# KiCad board norns_fork.kicad_pcb
title: Norns Syst Hat; date: 2022-06-17; rev: V2; company: Les Usines - Damien Skoraki
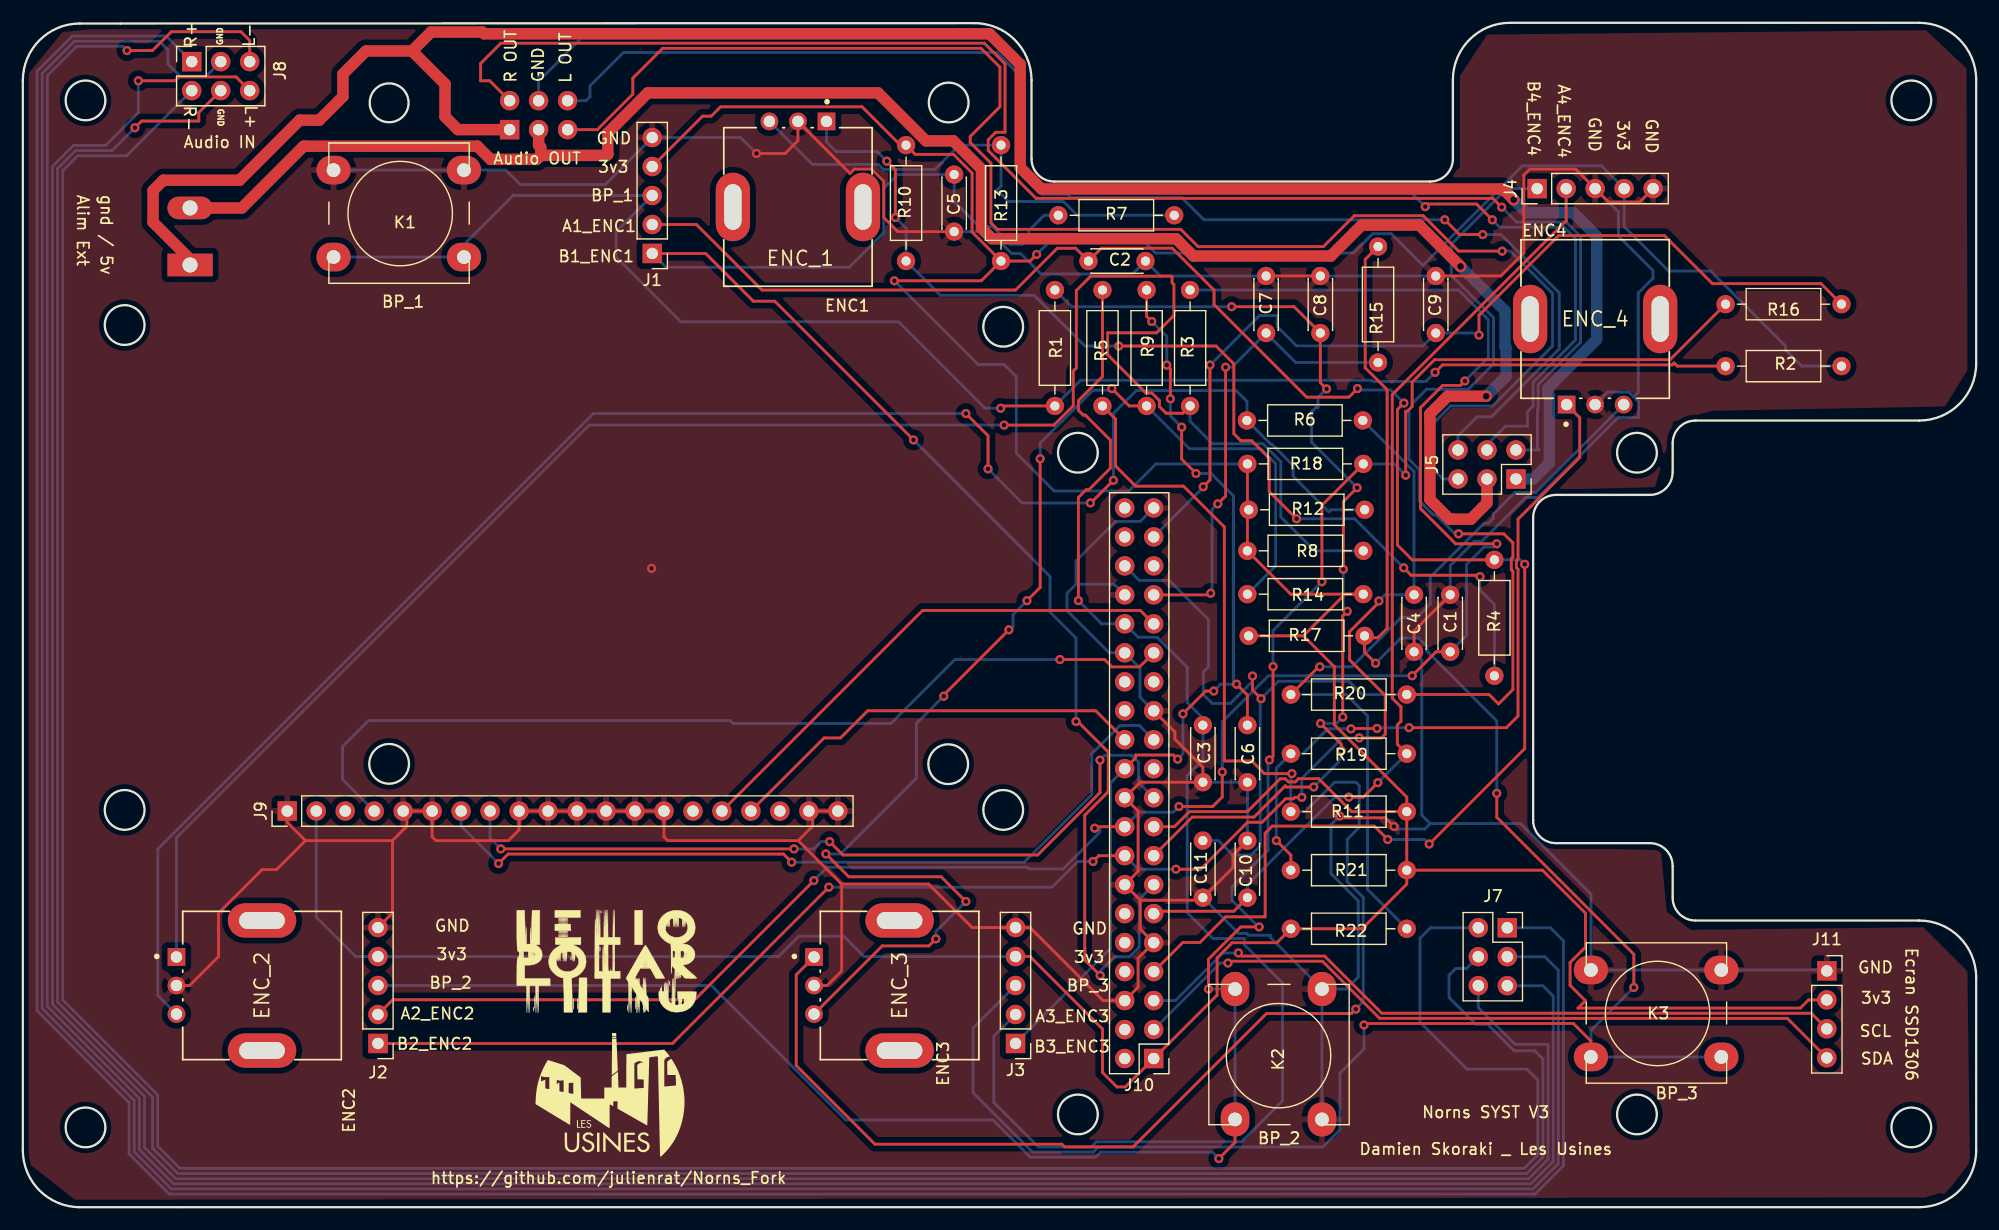
[diagram p0: board, top side]
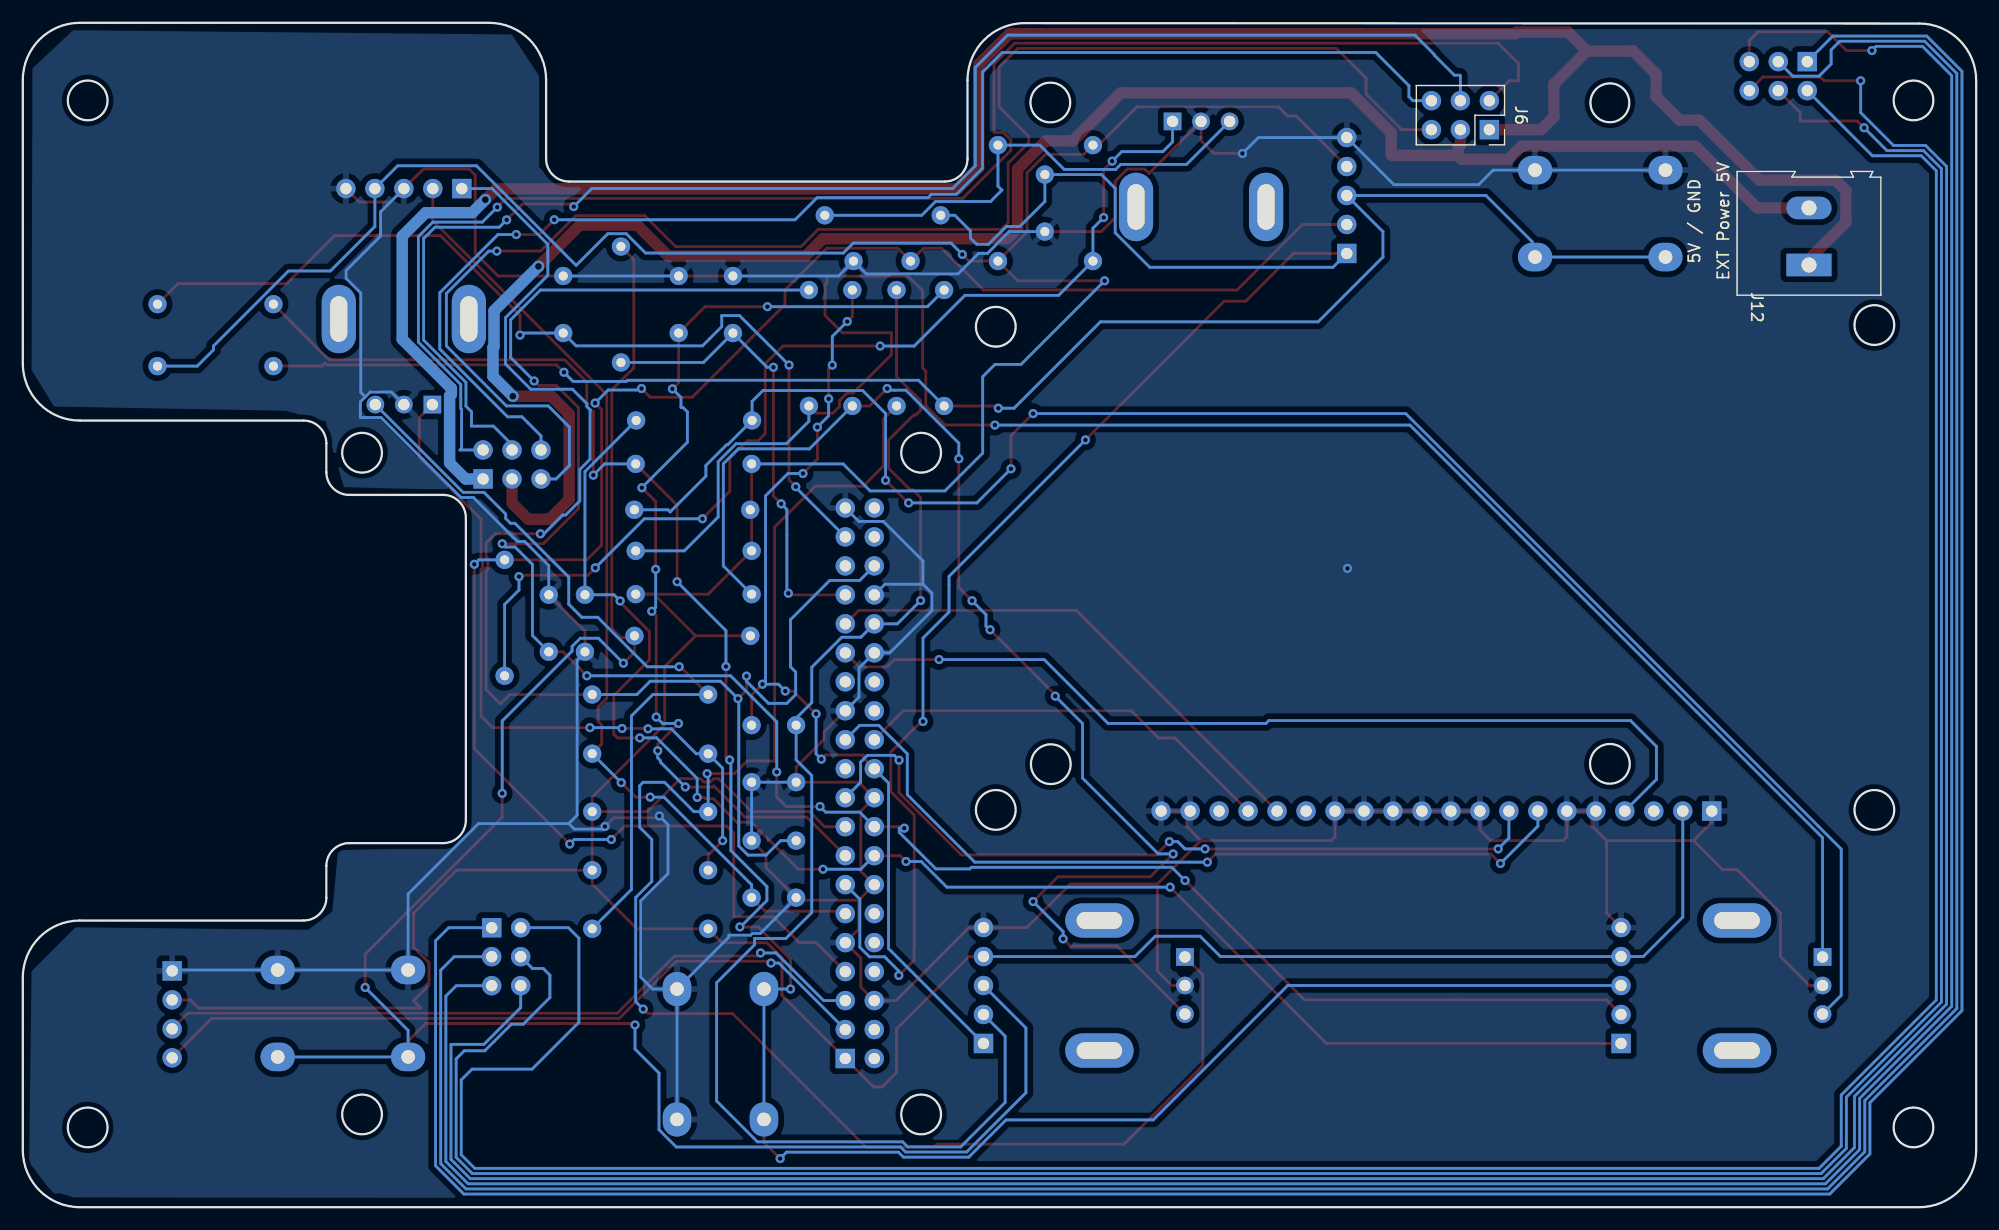
[diagram p1: board, bottom side, seen from below]

Outline 171.2 x 103.81 mm; copper layers: Top, Bottom. Coordinates in mm from the lower left corner of the outline.
Outline path: circle c5.49,97.01 r1.74 ; circle c5.49,6.99 r1.74 ; circle c8.92,77.32 r1.74 ; circle c8.92,34.82 r1.74 ; circle c32.1,96.8 r1.7 ; circle c32.1,38.86 r1.74 ; circle c81.1,38.83 r1.74 ; circle c81.15,96.83 r1.74 ; circle c85.92,34.82 r1.74 ; circle c85.92,77.17 r1.74 ; circle c92.47,66.13 r1.74 ; circle c92.47,8.13 r1.74 ; circle c141.47,66.13 r1.74 ; circle c141.47,8.13 r1.74 ; circle c165.51,97.01 r1.74 ; circle c165.51,6.99 r1.74 ; 0,98.75 0,5 arc(1.46,1.46) 5,0 166.2,0 arc(169.74,1.46) 171.2,5 171.2,20.13 arc(169.74,23.66) 166.2,25.13 146.6,25.13 arc(145.18,25.71) 144.6,27.13 144.6,29.91 arc(144.01,31.32) 142.6,31.91 134.37,31.91 arc(132.96,32.49) 132.37,33.91 132.37,60.43 arc(132.96,61.85) 134.37,62.43 142.6,62.43 arc(144.01,63.02) 144.6,64.43 144.6,66.95 arc(145.18,68.36) 146.6,68.95 166.2,68.95 arc(169.74,70.41) 171.2,73.95 171.2,98.81 arc(169.74,102.35) 166.2,103.81 130.34,103.81 arc(126.8,102.35) 125.34,98.81 125.34,91.9 arc(124.75,90.48) 123.34,89.9 90.4,89.9 arc(88.99,90.48) 88.4,91.9 88.4,98.78 arc(86.94,102.32) 83.4,103.78 8.55,103.75 5,103.75 arc(1.46,102.29) 0,98.75
Stack: Top 0.035mm / dielectric 1.51mm FR4 er 4.5 / Bottom 0.035mm

## Placement (name value [footprint] x y rotation side)
C1  10nF  [C_Disc_D4.3mm_W1.9mm_P5.00mm]  125.1 53.68 270 top
C2  10nF  [C_Disc_D4.3mm_W1.9mm_P5.00mm]  98.39 82.93 180 top
C3  10nF  [C_Disc_D4.3mm_W1.9mm_P5.00mm]  103.42 37.25 90 top
C4  10nF  [C_Disc_D4.3mm_W1.9mm_P5.00mm]  121.93 53.68 270 top
C5  10nF  [C_Disc_D4.3mm_W1.9mm_P5.00mm]  81.62 90.51 270 top
C6  10nF  [C_Disc_D4.3mm_W1.9mm_P5.00mm]  107.32 42.25 270 top
C7  10nF  [C_Disc_D4.3mm_W1.9mm_P5.00mm]  108.96 81.62 270 top
C8  10nF  [C_Disc_D4.3mm_W1.9mm_P5.00mm]  113.72 81.62 270 top
C9  10nF  [C_Disc_D4.3mm_W1.9mm_P5.00mm]  123.83 81.62 270 top
C10  10nF  [C_Disc_D4.3mm_W1.9mm_P5.00mm]  107.32 32.13 270 top
C11  10nF  [C_Disc_D4.3mm_W1.9mm_P5.00mm]  103.42 32.13 270 top
ENC1  ENC_1  [Bourns-PEC11R-4015F-N0024-MFG]  67.93 87.67 180 top
ENC2  ENC_2  [Bourns-PEC11R-4015F-N0024-MFG]  20.96 19.43 270 top
ENC3  ENC_3  [Bourns-PEC11R-4015F-N0024-MFG]  76.84 19.43 270 top
ENC4  ENC_4  [Bourns-PEC11R-4015F-N0024-MFG]  137.8 77.85 0 top
J1  ENC_K1  [PinHeader_1x05_P2.54mm_Vertical]  55.16 83.6 180 top
J2  ENC_K2  [PinHeader_1x05_P2.54mm_Vertical]  31.12 14.35 180 top
J3  ENC_K3  [PinHeader_1x05_P2.54mm_Vertical]  87 14.35 180 top
J4  ENC_K4  [PinHeader_1x05_P2.54mm_Vertical]  132.72 89.28 90 top
J5  Conn_audio_headphone  [PinSocket_2x03_P2.54mm_Vertical]  130.86 63.83 270 top
J6  conn_headphone_up  [PinSocket_2x03_P2.54mm_Vertical]  42.66 94.45 270 bottom
J7  Conn_audio_INPUT  [PinSocket_2x03_P2.54mm_Vertical]  130.1 24.5 0 top
J8  conn_input_up  [PinSocket_2x03_P2.54mm_Vertical]  14.8 100.41 90 top
J9  ecran  [PinHeader_1x20_P2.54mm_Vertical]  23.17 34.72 90 top
J10  Raspberry_Pi_2_3  [PinHeader_2x20_P2.54mm_Vertical]  99.11 13.03 180 top
J11  Ecran_SSD1306  [PinSocket_1x04_P2.54mm_Vertical]  158.11 20.71 0 top
J12  Alim ext 5V  [TerminalBlock_Altech_AK300-2_P5.00mm]  14.65 82.59 90 bottom
K1  BP_K1  [SW_PUSH-12mm_Wuerth-430476085716]  26.72 89.63 0 top
K2  BP_K2  [SW_PUSH-12mm_Wuerth-430476085716]  112.59 19.63 270 top
K3  BP_K3  [SW_PUSH-12mm_Wuerth-430476085716]  136.92 19.52 0 top
R1  10k  [R_Axial_DIN0207_L6.3mm_D2.5mm_P10.16mm_Horizontal]  90.45 80.39 270 top
R2  10k  [R_Axial_DIN0207_L6.3mm_D2.5mm_P10.16mm_Horizontal]  149.23 73.72 0 top
R3  10k  [R_Axial_DIN0207_L6.3mm_D2.5mm_P10.16mm_Horizontal]  102.3 80.39 270 top
R4  10k  [R_Axial_DIN0207_L6.3mm_D2.5mm_P10.16mm_Horizontal]  128.97 56.74 270 top
R5  10k  [R_Axial_DIN0207_L6.3mm_D2.5mm_P10.16mm_Horizontal]  94.62 80.39 270 top
R6  10k  [R_Axial_DIN0207_L6.3mm_D2.5mm_P10.16mm_Horizontal]  117.44 68.96 180 top
R7  10k  [R_Axial_DIN0207_L6.3mm_D2.5mm_P10.16mm_Horizontal]  90.75 86.94 0 top
R8  10k  [R_Axial_DIN0207_L6.3mm_D2.5mm_P10.16mm_Horizontal]  117.48 57.53 180 top
R9  10k  [R_Axial_DIN0207_L6.3mm_D2.5mm_P10.16mm_Horizontal]  98.49 80.39 270 top
R10  10k  [R_Axial_DIN0207_L6.3mm_D2.5mm_P10.16mm_Horizontal]  77.41 82.93 90 top
R11  10k  [R_Axial_DIN0207_L6.3mm_D2.5mm_P10.16mm_Horizontal]  111.13 34.67 0 top
R12  10k  [R_Axial_DIN0207_L6.3mm_D2.5mm_P10.16mm_Horizontal]  117.6 61.13 180 top
R13  10k  [R_Axial_DIN0207_L6.3mm_D2.5mm_P10.16mm_Horizontal]  85.73 93.09 270 top
R14  10k  [R_Axial_DIN0207_L6.3mm_D2.5mm_P10.16mm_Horizontal]  107.32 53.73 0 top
R15  10k  [R_Axial_DIN0207_L6.3mm_D2.5mm_P10.16mm_Horizontal]  118.78 74.04 90 top
R16  10k  [R_Axial_DIN0207_L6.3mm_D2.5mm_P10.16mm_Horizontal]  159.39 79.15 180 top
R17  10k  [R_Axial_DIN0207_L6.3mm_D2.5mm_P10.16mm_Horizontal]  117.59 50.08 180 top
R18  10k  [R_Axial_DIN0207_L6.3mm_D2.5mm_P10.16mm_Horizontal]  117.48 65.15 180 top
R19  10k  [R_Axial_DIN0207_L6.3mm_D2.5mm_P10.16mm_Horizontal]  121.29 39.75 180 top
R20  10k  [R_Axial_DIN0207_L6.3mm_D2.5mm_P10.16mm_Horizontal]  121.29 44.94 180 top
R21  10k  [R_Axial_DIN0207_L6.3mm_D2.5mm_P10.16mm_Horizontal]  111.13 29.54 0 top
R22  10k  [R_Axial_DIN0207_L6.3mm_D2.5mm_P10.16mm_Horizontal]  121.29 24.41 180 top

## Library data of the parts
ENC1-ENC4 = -: automotive: No; category: Enc; current rating: 10mA; detent: No; device class L1: Electromechanical; device class L2: Switches; device class L3: Encoders; digikey description: ROTARY ENCODER MECHANICAL 24PPR; digikey part number: PEC11R-4015F-N0024-ND; encoder type: Incremental; height: 22.3mm; lead free: Yes; library id: 5eb90586fce7ecd6; manufacturer: Bourns; mouser description: Encoders 15mm SHAFT NO SWITCH; mouser part number: 652-PEC11R-4015F-N24; number of circuits: 1; package: PTH_ENC_12MM5_13MM4; pulses per rev: 24; rohs: Yes; temperature range high: +70°C; temperature range low: -30°C; voltage rating DC: 5V
K1-K3 = -: SKU: 311020024

## Footprints (pads in the part's own frame, mm; a bottom-side part is the same pattern mirrored in y, then rotated)
Bourns-PEC11R-4015F-N0024-MFG
  rrect 3x6 hole 1.5x4: 1(-5.7,0) 2(5.7,0)
  rect 1.55x1.55 hole 1: A(-2.5,-7.5)
  round 1.55 hole 1: B(2.5,-7.5) C(0,-7.5)
C_Disc_D4.3mm_W1.9mm_P5.00mm
  round 1.6 hole 0.8: 1(0,0) 2(5,0)
PinHeader_1x05_P2.54mm_Vertical
  rect 1.7x1.7 hole 1: 1(0,0)
  oval 1.7x1.7 hole 1: 2(0,-2.54) 3(0,-5.08) 4(0,-7.62) 5(0,-10.16)
PinHeader_1x20_P2.54mm_Vertical
  rect 1.7x1.7 hole 1: 1(0,0)
  oval 1.7x1.7 hole 1: 2(0,-2.54) 3(0,-5.08) 4(0,-7.62) 5(0,-10.16) 6(0,-12.7) 7(0,-15.24) 8(0,-17.78) 9(0,-20.32) 10(0,-22.86) 11(0,-25.4) 12(0,-27.94) 13(0,-30.48) 14(0,-33.02) 15(0,-35.56) 16(0,-38.1) 17(0,-40.64) 18(0,-43.18) 19(0,-45.72) 20(0,-48.26)
PinHeader_2x20_P2.54mm_Vertical
  rect 1.7x1.7 hole 1: 1(0,0)
  oval 1.7x1.7 hole 1: 2(2.54,0) 3(0,-2.54) 4(2.54,-2.54) 5(0,-5.08) 6(2.54,-5.08) 7(0,-7.62) 8(2.54,-7.62) 9(0,-10.16) 10(2.54,-10.16) 11(0,-12.7) 12(2.54,-12.7) 13(0,-15.24) 14(2.54,-15.24) 15(0,-17.78) 16(2.54,-17.78) 17(0,-20.32) 18(2.54,-20.32) 19(0,-22.86) 20(2.54,-22.86) 21(0,-25.4) 22(2.54,-25.4) 23(0,-27.94) 24(2.54,-27.94) 25(0,-30.48) 26(2.54,-30.48) 27(0,-33.02) 28(2.54,-33.02) 29(0,-35.56) 30(2.54,-35.56) 31(0,-38.1) 32(2.54,-38.1) 33(0,-40.64) 34(2.54,-40.64) 35(0,-43.18) 36(2.54,-43.18) 37(0,-45.72) 38(2.54,-45.72) 39(0,-48.26) 40(2.54,-48.26)
PinSocket_1x04_P2.54mm_Vertical
  rect 1.7x1.7 hole 1: 1(0,0)
  oval 1.7x1.7 hole 1: 2(0,-2.54) 3(0,-5.08) 4(0,-7.62)
PinSocket_2x03_P2.54mm_Vertical
  rect 1.7x1.7 hole 1: 1(0,0)
  oval 1.7x1.7 hole 1: 2(-2.54,0) 3(0,-2.54) 4(-2.54,-2.54) 5(0,-5.08) 6(-2.54,-5.08)
R_Axial_DIN0207_L6.3mm_D2.5mm_P10.16mm_Horizontal
  round 1.6 hole 0.8: 1(0,0)
  oval 1.6x1.6 hole 0.8: 2(10.16,0)
SW_PUSH-12mm_Wuerth-430476085716
  oval 3x2.5 hole 1.2: 1(0.508,1.27) 1(11.938,1.27) 2(0.508,-6.35) 2(11.938,-6.35)
TerminalBlock_Altech_AK300-2_P5.00mm
  rect 1.98x3.96 hole 1.32: 1(0,0)
  oval 1.98x3.96 hole 1.32: 2(5,0)

## Nets
+3V3: J1.4 J2.4 J3.4 J4.4 J9.2 J10.1 J10.17 J11.2 R2.2 R8.2 R10.2 R11.2 R12.2 R13.2 R14.2 R17.2 R18.2 R21.2 R22.2
GND: C1.1 C2.1 C3.1 C4.2 C5.2 C6.2 C7.1 C8.1 C9.1 C10.1 C11.2 ENC1.C ENC2.C ENC3.C ENC4.C J1.5 J2.5 J3.5 J4.3 J4.5 J9.1 J9.5 J9.6 J9.9 J9.10 J9.11 J9.12 J9.13 J9.14 J9.19 J9.20 J10.6 J10.9 J10.14 J10.20 J10.25 J10.30 J10.34 J10.39 J11.1 K1.1 K2.1 K3.1
A1_ENC1: C2.2 J1.2 J10.7 R4.1
A2_ENC2: C1.2 J2.2 J10.18 R3.1
A3_ENC3: C3.2 J3.2 J10.32 R5.1
A4_ENC4: C10.2 J4.2 J10.11 R19.1
B1_ENC1: C5.1 J1.1 J10.13 R7.1
B2_ENC2: C4.1 J2.1 J10.16 R6.1
B3_ENC3: C6.1 J3.1 J10.22 R9.1
B4_ENC4: C11.1 J4.1 J10.36 R20.1
BP_1: J1.3 K1.2 R1.2 R2.1
BP_2: J2.3 K2.2 R16.2 R18.1
BP_3: J3.3 K3.2 R15.2 R17.1
INPUT_5V: J5.1 J6.1 J12.1
INPUT_GND: J5.3 J6.3 J12.2
K1_BP: C8.2 J10.15 R1.1
K2_BP: C9.2 J10.37 R16.1
K3_BP: C7.2 J10.33 R15.1
L OUT: J5.2 J6.2
L+: J7.6 J8.6
L-: J7.5 J8.5
oled_CE0: J9.17 J10.24
oled_DC: J9.4 J10.29
oled_MOSI: J9.8 J10.19
oled_RESET: J9.16 J10.31
oled_SCK: J9.7 J10.23
R OUT: J5.6 J6.6
R+: J7.1 J8.1
R-: J7.2 J8.2
SCL: J10.5 J11.3
SDA: J10.3 J11.4
Net-(ENC1-PadA): ENC1.A R4.2 R10.1
Net-(ENC1-PadB): ENC1.B R7.2 R13.1
Net-(ENC2-PadA): ENC2.A R3.2 R8.1
Net-(ENC2-PadB): ENC2.B R6.2 R12.1
Net-(ENC3-PadA): ENC3.A R5.2 R11.1
Net-(ENC3-PadB): ENC3.B R9.2 R14.1
Net-(ENC4-PadA): ENC4.A R19.2 R21.1
Net-(ENC4-PadB): ENC4.B R20.2 R22.1
Net-(J5-Pad4): J5.4 J6.4
Net-(J5-Pad5): J5.5 J6.5
Net-(J7-Pad3): J7.3 J8.3
Net-(J7-Pad4): J7.4 J8.4

Pads without a net: ENC1 1 2; ENC2 1 2; ENC3 1 2; ENC4 1 2; J9 3 15 18; J10 2 4 8 10 12 21 26 27 28 35 38 40

## Via types
v1: diameter 0.8, hole 0.4, Top to Bottom, 114 vias
v2: diameter 1, hole 0.6, Top to Bottom, 3 vias

## Routing (per net, layer and track width the routed paths; a pad name or vN(x,y) marks a point on that pad's centre or on a via; arc(x,y) is an arc through that point)
+3V3: length 439.4
  Top w0.25: R13.2 88.27,82.93 v1(88.85,83.51) ; R13.2 84,81.2 v1(76.38,81.2) ; R13.2 83.19,85.47 83.19,90.65 81.56,92.28 78.22,92.28 R10.2 76.91,93.09 73.55,96.45 61.15,96.45 60.33,95.63 59.58,95.63 J1.4 ; 112.23,50.08 115.88,53.73 R14.2 111.12,53.73 R8.2 107.32,61.01 R12.2 107.32,61.25 R18.2 ; 112.23,50.08 R17.2 ; 112.23,50.08 114.94,47.37 114.94,42.29 121.29,35.94 R11.2 ; R11.2 116.46,34.67 113.57,37.56 111.81,37.56 111.53,37.28 110.92,37.28 110.65,37.55 110.2,37.55 107.32,34.67 102.24,34.67 100.92,33.35 J10.17 ; R11.2 R21.2 ; J3.4 88.27,21.97 94.62,15.62 94.62,11.81 95.89,10.54 96.62,10.54 J10.1 104.67,18.59 104.67,21.86 105.99,23.18 109.91,23.18 R22.2 117.38,24.41 121.29,28.32 R21.2 ; R21.2 133.19,29.54 136.95,25.77 136.95,22.79 135.61,21.44 135.61,19.45 136.95,18.1 136.3,17.45 155.78,17.45 156.5,18.17 J11.2
  Bottom w0.25: J3.4 73.72,21.97 71.94,23.75 68.01,23.75 66.23,21.97 J2.4 29.17,21.97 25.71,25.43 J9.2 ; R18.2 99.3,65.15 96.93,62.78 90.38,62.78 87.07,66.09 87.07,72.79 85.99,73.87 83.71,73.87 v1(76.38,81.2) ; v1(88.85,83.51) 89.85,84.51 98.41,84.51 99.29,83.63 116.62,83.63 118.31,85.33 119.93,85.33 122.7,82.55 131.43,91.28 138.34,91.28 J4.4 140.34,85.96 144.24,82.06 147.92,82.06 154.49,75.48 154.49,75.14 155.91,73.72 R2.2
GND: length 532.1
  Top w0.25: v1(120.17,33.37) 119.41,34.13 115.57,34.13 v1(115.41,34.29) ; 97.94,26.91 97.94,24.37 J10.9 97.75,21.83 97.75,19.29 J10.6 94.67,18.11 88.27,24.51 J3.5 83.19,24.51 79.38,28.32 71.76,28.32 ; 97.94,26.91 J10.14 97.75,29.45 97.75,34.72 J10.20 97.93,37.25 C3.1 103.42,38.57 100.97,41.02 100.97,41.65 J10.25 ; 97.94,26.91 103.2,26.91 C11.2 106.05,29.76 106.05,30.86 C10.1 ; 24.77,32.13 22.23,29.59 20.96,29.59 17.15,25.78 17.15,21.97 14.61,19.43 ENC2.C ; 24.77,32.13 32.39,32.13 ; 24.77,32.13 23.17,33.73 J9.1 ; C1.1 121.93,50.51 C4.2 ; 32.39,32.13 33.66,33.4 33.66,34.39 J9.5 J9.6 35.87,32.46 36.2,32.13 42.55,32.13 43.49,33.07 J9.9 J9.10 J9.11 J9.12 52.77,34.72 ; 32.39,32.13 32.39,25.78 J2.5 ; 52.77,34.72 J9.13 ; 52.77,34.72 J9.14 56.19,32.46 56.52,32.13 67.95,32.13 ; 71.76,28.32 67.95,32.13 ; 71.76,28.32 71.76,20.7 70.49,19.43 ENC3.C ; 67.95,32.13 69.22,33.4 69.22,34.39 J9.19 J9.20 ; C9.1 129.53,81.62 131.55,83.64 131.55,90.46 132.08,90.99 136.09,90.99 J4.3 138.98,88.11 141.71,88.11 J4.5 ; C7.1 C8.1 ; C5.2 76.68,85.51 75.46,86.74 75.46,89.93 74.39,91 72.88,91 72.49,90.61 ENC1.C 67.93,93.48 66.81,92.36 v1(64.3,92.36)
  Bottom w0.25: K2.1 109.32,23.66 109.32,23.84 107.41,23.84 107.25,24 106.55,24 C11.2 ; K2.1 K2.1 ; K2.1 116,19.12 117.03,20.16 117.03,26.86 114.65,29.24 114.65,33.53 v1(115.41,34.29) ; 26.98,90.9 42.33,90.9 43.6,89.63 51.04,89.63 J1.5 62.91,93.76 v1(64.3,92.36) ; ENC4.C 138.9,71.45 140.76,71.45 141.18,71.03 ; J10.25 97.91,44.71 97.91,47.25 J10.30 95.21,48.59 91.52,52.28 91.52,53.82 92.3,54.6 ; 141.18,71.03 141.61,70.6 141.61,69.21 139.81,69.21 132.8,62.21 131.71,62.21 127.85,58.35 127.21,58.35 125.1,56.24 C1.1 ; 141.18,71.03 141.58,71.43 141.58,80.13 142.86,81.41 142.86,82.1 139.84,85.12 139.84,87.24 J4.3 ; J10.39 97.93,60.11 95.77,60.11 92.3,56.64 92.3,54.6 ; J10.34 95.64,54.6 92.3,54.6 ; 123.35,33.63 122.86,33.14 120.4,33.14 v1(120.17,33.37) ; 123.35,33.63 122.61,34.36 122.61,47.95 121.93,48.63 C4.2 ; 123.35,33.63 131.26,33.63 137.43,27.45 K3.1 K3.1 158.03,20.79 J11.1 ; C5.2 84.75,85.51 86.66,83.6 87.43,83.6 89.23,81.81 97.27,81.81 C2.1 99.7,81.62 C7.1 ; C3.1 C6.2 C10.1 ; C8.1 C9.1
  vias: v1(55.1,55.99)
A1_ENC1: length 164.6
  Top w0.25: J10.7 101.66,23.2 103.16,23.2 105.41,25.45 108.88,25.45 108.88,32.78 109.5,33.4 118.45,33.4 v1(119.62,32.23) ; J1.2 59.03,86.14 64.78,80.39 87,80.39 90.67,84.06 92.27,84.06 C2.2 94.52,84.06 100.73,84.06 104.4,80.39 104.4,79.12 112.52,71 116.22,71 v1(116.98,71.75) ; R4.1 121.77,56.74 120.47,58.04 120.47,69.92 v1(121.04,70.48) ; v1(131.63,56.35) 131.63,40.19 v1(123.26,31.83)
  Bottom w0.25: v1(123.26,31.83) 122.86,32.23 v1(119.62,32.23) ; R4.1 131.24,56.74 v1(131.63,56.35) ; v1(121.04,70.48) 119.9,71.63 117.1,71.63 v1(116.98,71.75)
A2_ENC2: length 179
  Top w0.25: v1(93.94,33.22) 94.07,33.35 J10.18 ; v1(105.12,38.15) 105.12,35.96 104.28,35.12 v1(101.33,35.12) ; J2.2 32.41,18.18 58.88,18.18 v1(69.33,28.63) ; v1(121.76,46.58) 123.86,48.68 C1.2 ; v1(129.18,58.15) 125.57,58.15 122.49,61.23 122.49,70.08 124.44,72.03 126,72.03 v1(126.38,72.42)
  Bottom w0.25: v1(69.33,28.63) 70.49,29.79 88.05,29.79 88.19,29.65 91.17,29.65 94.38,32.86 94.38,33.22 v1(93.94,33.22) ; v1(129.18,58.15) 128.9,57.87 128.06,57.87 126.53,56.34 126.53,50.11 C1.2 ; v1(126.38,72.42) 128.44,74.48 128.44,77.78 125.83,80.39 R3.1 ; v1(121.76,46.58) 109.16,46.58 105.12,42.54 v1(105.12,38.15) ; v1(101.33,35.12) 100.83,34.62 97.85,34.62 J10.18
A3_ENC3: length 123.9
  Top w0.25: R5.1 94.62,72.81 92.51,70.7 92.51,69.85 92.93,69.43 93.12,69.43 95.32,67.23 95.32,64.78 93.42,62.88 93.18,62.88 92.51,62.21 v1(92.51,53.17)
  Bottom w0.25: J3.2 85.1,14.99 85.1,9.18 89,5.29 93.64,5.29 94.09,5.73 106.81,5.73 110.39,9.31 110.39,19.67 107.06,23 107.06,23.55 104.32,23.55 102.05,25.82 102.05,37.84 103.42,39.21 C3.2 103.42,42.86 102.05,44.23 102.05,47.32 99.42,49.96 97.75,49.96 J10.32 94.55,51.13 v1(92.51,53.17)
A4_ENC4: length 85.3
  Top w0.25: v1(118.75,37.21) 117.48,35.94 v1(116.21,35.94) ; J10.11 99.32,25.94 106.13,25.94 C10.2 ; R19.1 120.46,40.58 120.46,42.27 120.78,42.59 120.78,43.85 120.02,44.61 120.02,71.22 135.26,86.46 J4.2
  Bottom w0.25: v1(116.21,35.94) 115,35.94 107.32,28.26 C10.2 ; R19.1 v1(118.75,37.21)
B1_ENC1: length 142.9
  Top w0.25: v1(94.42,20.31) 93.08,21.65 93.08,22.7 93.07,22.72 93.07,34.36 95.13,36.42 95.13,39.9 92.45,42.57 v1(92.3,42.57) ; J1.1 59.84,83.6 64.02,79.41 65.9,79.41 v1(78.06,67.25)
  Bottom w0.25: v1(92.3,42.57) 92.3,49.89 90.02,52.17 90.02,55.29 v1(78.06,67.25) ; R7.1 89.51,86.94 88.15,85.58 88.15,84.96 87.6,84.4 86.55,84.4 84.99,85.96 83.81,85.96 81.62,88.15 C5.1 76.66,90.51 75.46,89.31 75.46,85.41 72.43,82.38 56.38,82.38 J1.1 ; J10.13 97.84,27 97.84,22.79 97,21.95 95.67,21.95 94.42,20.7 v1(94.42,20.31)
B2_ENC2: length 136
  Top w0.25: v1(112.09,35.92) 111.48,35.92 111.36,35.8 110.67,35.8 108.61,33.74 107.34,33.74 103.22,29.62 v1(101.06,29.62) ; v1(118.85,53.14) 118.85,53.02 116.28,50.45 116.28,47.97 119.41,44.85 119.41,41.46 119.08,41.13 v1(117.13,41.13) ; v1(93.79,30.3) 94.3,30.81 J10.16 ; v1(70.64,28.05) 56.94,14.35 J2.1
  Bottom w0.25: v1(101.06,29.62) 97.76,29.62 J10.16 ; v1(112.09,35.92) 112.09,37.58 115.65,41.13 v1(117.13,41.13) ; R6.1 121.93,64.47 C4.1 119.39,53.68 v1(118.85,53.14) ; v1(70.64,28.05) 90.21,28.05 92.46,30.3 v1(93.79,30.3)
B3_ENC3: length 86
  Top w0.25: v1(101.56,68.37) 101.56,65.57 v1(102.82,64.31) ; v1(101.67,43.24) 103.67,45.24 v1(104.37,45.24) ; v1(106.37,45.84) 107.32,44.89 C6.1 ; v1(101.21,39.27) 100.85,39.63 97.52,39.63 97.52,39.38 J10.22 ; R9.1 98.49,78.08 v1(98.94,77.63) ; v1(100.25,73.81) 100.57,73.49 v1(100.57,70.86)
  Bottom w0.25: J3.1 95.32,22.67 95.32,37.18 J10.22 ; v1(101.67,43.24) 101.67,39.73 v1(101.21,39.27) ; v1(100.25,73.81) 100.25,76.32 v1(98.94,77.63) ; v1(104.37,45.24) 104.97,45.84 v1(106.37,45.84) 106.1,46.11 106.1,62.35 104.14,64.31 v1(102.82,64.31) ; v1(100.57,70.86) 100.57,69.36 v1(101.56,68.37)
B4_ENC4: length 129
  Top w0.25: v1(107.77,46.55) 107.77,45.32 v1(108.52,44.57) ; R20.1 128.51,44.94 129.33,44.11 130.59,45.37 130.59,55.72 130.45,55.86 130.45,56.84 130.59,56.98 130.59,58.23 129.8,59.02 v1(125.83,59.02)
  Bottom w0.25: J10.36 97.85,54.94 100.48,54.94 103.91,51.5 103.91,47.36 103.46,46.91 103.46,44.93 104.23,44.16 105.84,44.16 107.77,46.09 v1(107.77,46.55) ; R20.1 117.38,44.94 116.21,46.1 110.05,46.1 v1(108.52,44.57) 108.45,44.5 108.45,31.66 107.65,30.86 106.05,30.86 104.78,32.13 C11.1 ; v1(125.83,59.02) 125.52,59.02 123.87,60.67 123.62,60.67 122.38,61.91 122.38,64.66 121.48,65.56 121.48,69.9 121.77,70.18 121.77,70.43 123.03,71.69 126.69,71.69 128.89,73.9 128.89,77.97 125.18,81.68 125.18,84.39 130.07,89.28 J4.1
BP_1: length 142.5
  Top w0.25: v1(123.77,73.18) 124.42,73.83 144.55,73.83 144.72,74 144.99,73.72 R2.1 ; v1(85.7,70.03) 85.9,70.23 R1.2
  Bottom w0.25: 26.98,83.28 38.92,83.28 38.92,84.63 42.97,88.68 J1.3 52.03,85.54 51.99,85.54 51.99,83.28 57.67,77.6 76.75,77.6 84.32,70.03 v1(85.7,70.03) ; R1.2 92.7,72.48 114.62,72.48 114.63,72.48 118.22,72.48 118.31,72.38 122.97,72.38 v1(123.77,73.18)
BP_2: length 195.6
  Top w0.25: v1(103.91,19.12) 103.91,21.74 106.74,24.56 v1(108.35,24.56) ; R16.2 144.36,74.28 123.72,74.28 121.77,72.32 121.77,70.18 121.34,69.76 121.2,69.76 v1(121.2,64.16) ; v1(113.85,54.82) 113.85,61.52 R18.1 ; K2.2 106.24,5.68 v1(104.82,4.26) ; v1(109.25,39.2) 109.57,39.52 v1(109.57,47.39)
  Bottom w0.25: v1(104.82,4.26) 104.26,4.82 94.45,4.82 94.02,4.39 88.29,4.39 85.03,7.65 72.12,7.65 60.34,19.43 J2.3 ; R18.1 120.21,65.15 v1(121.2,64.16) ; v1(109.25,39.2) 109.14,39.09 109.14,31.26 105.98,28.1 105.98,26.88 108.3,24.56 v1(108.35,24.56) ; v1(109.57,47.39) 109.57,50.54 v1(113.85,54.82) ; v1(103.91,19.12) 103.92,19.12 K2.2 K2.2
BP_3: length 180.2
  Top w0.25: v1(117.54,15.97) 117.67,16.1 135.89,16.1 137.43,14.56 K3.2 ; R15.2 117.65,83.08 117.65,73.57 119.57,71.65 119.57,50.73 118.75,49.91 117.76,49.91 R17.1 117.59,48.65 v1(118.56,47.68) ; v1(129.18,36.27) 129.18,34.18 141.19,22.17 v1(141.19,19.26)
  Bottom w0.25: v1(118.56,47.68) 120.75,49.87 122.34,49.87 123.06,49.15 123.06,48.75 129.18,42.62 v1(129.18,36.27) ; v1(141.19,19.26) 137.43,15.5 K3.2 K3.2 ; v1(117.54,15.97) 117.54,13.86 115.44,11.76 115.44,6.79 113.93,5.28 94.28,5.28 93.83,4.84 88.48,4.84 83.28,10.03 83.28,15.71 J3.3
INPUT_5V: length 192.3
  Top w1: J12.1 14.65,83.09 11.41,86.33 11.41,89.11 12.32,90.02 19,90.02 24.26,95.28 25.98,95.28 28.05,97.35 28.05,99.32 30.07,101.34 34.11,101.34 ; 34.11,101.34 37,98.45 37,95.58 38.14,94.45 J6.1 ; 34.11,101.34 35.77,103 40.28,103 40.43,102.85 84.72,102.85 87.41,100.16 87.41,91.12 89.28,89.25 129.72,89.25 v2(130.66,88.31)
  Bottom w1: J5.1 132.39,63.83 133.79,65.23 133.79,71.11 133.64,71.26 133.64,71.77 137.94,76.07 137.94,85.11 135.88,87.17 131.8,87.17 v2(130.66,88.31)
INPUT_GND: length 166.8
  Top w1: J12.2 19.2,87.59 24.61,93 39.83,93 40.99,91.84 45.04,91.84 45.39,92.19 ; 45.39,92.19 45.39,92.9 45.2,93.09 J6.3 ; 45.39,92.19 51.18,92.19 51.27,92.28 51.27,94.17 54.77,97.67 74.95,97.67 79.16,93.46 81.55,93.46 84.02,90.99 84.02,85.81 84.95,84.89 101.08,84.89 102.59,83.37 114.64,83.37 117.35,86.08 122.39,86.08 v2(126.01,82.46) ; J5.3 128.32,61.72 126.9,60.3 125.04,60.3 123.32,62.03 123.32,69.53 124.87,71.08 v2(128.25,71.08)
  Bottom w1: v2(126.01,82.46) 129.9,78.56 129.9,75.44 129.99,75.35 129.99,72.82 v2(128.25,71.08)
K1_BP: length 87.9
  Top w0.25: v1(115.55,40.01) 115.55,40.58 v1(113.73,42.4) ; J10.15 102.49,34.19 107.9,34.19 110.64,36.92 110.74,36.83 113.13,36.83 v1(113.14,36.84) ; v1(115.73,55.91) 115.73,61.85 v1(116.94,63.06) ; v1(116.07,52.23) 115.68,51.84 v1(115.68,42.96) ; v1(105.94,78.93) 111.41,78.93 C8.2 113.72,72.27 v1(114.26,71.72)
  Bottom w0.25: v1(115.73,55.91) 115.73,52.57 v1(116.07,52.23) ; v1(114.26,71.72) 113.51,70.97 113.51,70.1 113.34,70.1 112.95,69.71 112.95,67.05 v1(116.94,63.06) ; v1(115.55,40.01) 115.55,39.38 115.31,39.14 115.31,39.01 v1(113.14,36.84) ; R1.1 91.91,78.93 v1(105.94,78.93) ; v1(113.73,42.4) 115.12,42.4 v1(115.68,42.96)
K2_BP: length 83.6
  Top w0.25: R16.1 157.59,80.95 148.08,80.95 143.87,85.16 134.6,85.16 127.62,78.18 v1(127.62,76.44) ; v1(103.45,63.15) 104.04,63.74 v1(104.04,73.81)
  Bottom w0.25: v1(104.04,73.81) 108.38,78.15 109.94,78.15 109.94,77.18 111.63,75.5 122.71,75.5 C9.2 127.44,76.62 v1(127.62,76.44) ; v1(103.45,63.15) 103.45,63.09 J10.37
K3_BP: length 41.1
  Top w0.25: v1(104.73,61.65) 105.41,62.33 v1(105.41,73.62) ; J10.33 103.96,53.67 v1(104.1,53.81)
  Bottom w0.25: v1(104.1,53.81) 104.23,53.94 104.23,61.15 v1(104.73,61.65) ; R15.1 111.54,74.04 C7.2 105.96,73.62 v1(105.41,73.62)
L OUT: length 138.3
  Top w0.25: v1(129.61,87.65) 128.84,88.43 88.81,88.43 85.27,91.97 85.27,91.97 84.61,92.62 84.61,93.56 85.27,94.22 86.08,94.22 86.08,100.21 84.27,102.03 41.9,102.03 40.12,100.25 40.12,98.73 40.92,98.73 J6.2
  Bottom w0.25: v1(129.61,87.65) 130.92,86.35 135.26,86.35 136.53,85.08 136.53,75.82 132.81,72.11 132.81,70.02 132.74,69.95 132.74,66.51 132.88,66.37 J5.2
L+: length 256.3
  Top w0.25: v1(10.12,98.73) 13.33,98.73 13.67,99.07 18.68,99.07 J8.6
  Bottom w0.25: J7.6 127.56,17.49 130.78,14.27 133.67,14.27 133.67,4.19 131.99,2.5 13.39,2.5 10.66,5.23 10.66,9.72 2.59,17.79 2.59,91.22 4.43,93.06 7.24,93.06 10.12,95.94 v1(10.12,98.73)
L-: length 264.1
  Top w0.25: v1(9.13,101.38) 11.36,101.38 13.01,103.03 19.11,103.03 19.88,102.26 J8.5
  Bottom w0.25: v1(9.13,101.38) 8.76,101.75 4.71,101.75 2.14,99.19 2.14,17.6 10.21,9.53 10.21,5.04 13.21,2.05 132.17,2.05 134.12,4 134.12,18.5 133.21,19.42 J7.5
oled_CE0: length 37.5
  Top w0.25: J9.17 70.22,41.13 71.66,41.13 74.04,43.51 94.03,43.51 J10.24
oled_DC: length 82
  Top w0.25: v1(90.89,48) 94.81,48 95.45,47.36 97.88,47.36 J10.29
  Bottom w0.25: v1(90.89,48) 81.68,48 76.08,42.4 62.24,42.4 61.99,42.65 30.29,42.65 28.02,40.38 28.02,37.49 J9.4
oled_MOSI: length 69.5
  Top w0.25: v1(94.4,39.18) 94.4,36.33 88.94,30.87 71.88,30.87 v1(70.71,32.04) ; v1(41.89,31.41) v1(67.59,31.41)
  Bottom w0.25: J9.8 40.95,32.35 v1(41.89,31.41) ; v1(94.4,39.18) 94.83,39.61 97.18,39.61 97.77,39.01 97.77,37.23 J10.19 ; v1(67.59,31.41) 69.34,31.41 69.97,32.04 v1(70.71,32.04)
oled_RESET: length 45.6
  Top w0.25: J10.31 97.94,52.31 78.86,52.31 J9.16
oled_SCK: length 71.6
  Top w0.25: v1(41.69,30.12) 42.53,30.96 66.67,30.96 v1(67.38,30.24)
  Bottom w0.25: J10.23 97.85,42.23 96.17,42.23 93.68,39.74 93.68,36.16 87.76,30.24 v1(67.38,30.24) ; J9.7 38.41,33.4 v1(41.69,30.12)
R OUT: length 121.1
  Top w0.25: v1(124.62,86.55) 125.92,85.25 v1(127.95,85.25)
  Bottom w0.25: v1(127.95,85.25) 129.55,85.25 134.65,80.15 134.65,75.22 128.71,69.28 127.45,69.28 125.78,67.61 J5.6 ; v1(124.62,86.55) 103.51,86.55 101.57,88.49 91.85,88.49 91.56,88.78 89.37,88.78 87.08,91.07 87.08,99.49 85.36,101.21 52.62,101.21 49.71,98.3 49.71,97.34 49.36,96.99 J6.6
R+: length 267.3
  Bottom w0.25: J7.1 133.88,24.5 135.02,23.35 135.02,3.63 132.54,1.15 12.83,1.15 9.31,4.67 9.31,9.16 1.24,17.23 1.24,99.56 4.33,102.65 12.56,102.65 J8.1
R-: length 257.2
  Bottom w0.25: J7.2 123.38,24.5 122.46,23.58 122.46,16.2 126.56,12.1 131.82,12.1 132.77,11.15 132.77,4.59 131.58,3.4 13.77,3.4 11.82,5.34 11.82,9.83 3.49,18.16 3.49,90.85 4.81,92.16 9.09,92.16 J8.2
SCL: length 63.5
  Top w0.25: v1(106.54,22.28) 106.82,22.01 114.09,22.01 119.1,17 156.74,17 J11.3
  Bottom w0.25: J10.5 101.02,18.11 105.19,22.28 v1(106.54,22.28)
SDA: length 65
  Top w0.25: J11.4 154.65,16.55 118.91,16.55 113.9,21.56 105.78,21.56 v1(105.62,21.4)
  Bottom w0.25: J10.3 104.94,21.4 v1(105.62,21.4)
Net-(ENC1-PadA): length 93.5
  Top w0.25: v1(75.72,91.68) 76.47,90.94 v1(76.47,86.75) ; v1(96.05,75.48) 104.58,75.48 106.14,73.92 106.14,67.8 106.75,67.18 107.7,67.18 109.23,65.65 109.23,62.74 v1(111.63,60.34) ; v1(127.71,55.27) 127.59,55.39 121.67,55.39 v1(121.02,56.04)
  Bottom w0.25: v1(127.71,55.27) 127.71,54.09 128.97,52.83 R4.2 ; v1(76.47,86.75) 77.41,85.81 R10.1 80.42,79.93 88.63,79.93 93.07,75.48 v1(96.05,75.48) ; v1(111.63,60.34) 116.72,60.34 v1(121.02,56.04) ; ENC1.A 70.43,93.37 71.28,92.52 74.89,92.52 v1(75.72,91.68)
Net-(ENC1-PadB): length 43.5
  Bottom w0.25: R7.2 92.41,86.94 91.2,88.15 86.38,88.15 85.38,89.15 85.73,89.5 R13.1 82.06,93.09 79.93,90.96 75.42,90.96 74.98,91.4 69.2,91.4 ENC1.B
Net-(ENC2-PadA): length 169.7
  Top w0.25: R3.2 101.66,69.59 100.2,69.59 99.62,70.18 99.62,70.7 98.96,71.36 98.44,71.36 95.07,74.72 95.07,76.64 99.36,76.64 100.88,78.16 100.88,80.87 100.72,81.03 100.72,81.55 100.67,81.6 93.59,81.6 92.33,80.35 92.33,73.56 92.06,73.29 92.06,70.25 90.37,68.55 v1(86,68.55)
  Bottom w0.25: R3.2 102.3,68.89 104.27,66.92 108.68,66.92 110.25,65.35 110.25,60.5 113.22,57.53 R8.1 ; v1(86,68.55) 49.62,68.55 13.46,32.39 ENC2.A
Net-(ENC2-PadB): length 155.2
  Top w0.25: v1(95.58,63.71) 93.6,61.73 v1(93.56,61.73) ; v1(82.65,69.56) 84.59,67.62 v1(84.59,64.72)
  Bottom w0.25: v1(95.58,63.71) 95.58,69.57 97.6,71.58 106.33,71.58 107.28,70.63 R6.2 109.41,66.83 109.51,66.83 111.33,65.01 111.33,64.07 114.46,60.94 114.65,61.13 R12.1 ; v1(84.59,64.72) 87.58,61.73 v1(93.56,61.73) ; v1(82.65,69.56) 49.99,69.56 29.37,48.94 29.37,48.94 11.83,31.39 11.83,18.57 ENC2.B
Net-(ENC3-PadA): length 143
  Top w0.25: v1(116.83,17.36) 116.43,16.97 108.99,16.97 97.31,5.29 91.3,5.29 91.07,5.52 74.68,5.52 67.78,12.42 67.78,20.37 ENC3.A ; v1(111.22,38) 108.82,38 107.71,39.11 105.3,39.11 105.3,59.62 101.72,63.2 97.53,63.2 95.77,64.96 95.77,69.08 R5.2
  Bottom w0.25: v1(116.83,17.36) 117.48,18.02 117.48,27.14 116.07,28.55 116.07,32.24 117.13,33.3 117.13,36.94 116.83,37.24 114.95,37.24 112.38,34.67 R11.1 111.13,37.91 v1(111.22,38)
Net-(ENC3-PadB): length 114.2
  Top w0.25: ENC3.B 75.31,22.9 79.4,22.9 v1(80.02,23.52) ; v1(86.42,50.61) 80.71,44.9 v1(80.71,44.79) ; v1(82.65,26.79) 80.48,28.96 72.39,28.96 v1(70.38,30.96) ; v1(95.44,71.76) 96.97,70.23 R9.2 ; v1(88,53.16) 89.16,54.32 v1(89.16,65.6)
  Bottom w0.25: v1(95.44,71.76) 95.3,71.61 93.8,71.61 89.16,66.97 v1(89.16,65.6) ; v1(82.65,26.79) 80.02,24.16 v1(80.02,23.52) ; v1(86.42,50.61) 86.47,50.61 86.78,50.92 86.78,51.94 v1(88,53.16) ; v1(80.71,44.79) 78.32,42.4 78.32,37.61 71.68,30.96 v1(70.38,30.96) ; R9.2 102.25,66.47 108.49,66.47 109.8,65.16 109.8,56.21 R14.1
Net-(ENC4-PadA): length 62.7
  Top w0.25: R21.1 111.13,30.86 v1(109.86,32.13) ; v1(121.49,42.03) 130.02,42.03 131.04,43.05 131.04,55.91 130.9,56.05 130.9,56.65 131.04,56.79 131.04,60.31 136.45,65.72 136.45,69.2 ENC4.A ; v1(118.68,41.96) 116.43,41.96 v1(116.4,41.93)
  Bottom w0.25: v1(121.49,42.03) 118.75,42.03 v1(118.68,41.96) ; v1(116.4,41.93) 114.36,41.93 112.18,39.75 R19.2 109.86,38.48 v1(109.86,32.13)
Net-(ENC4-PadB): length 68.9
  Top w0.25: R20.2 113.57,47.37 v1(113.67,47.37)
  Bottom w0.25: v1(113.67,47.37) 116.48,47.37 120.81,51.7 122.21,51.7 123.35,52.85 123.35,55.23 128.07,59.95 128.46,59.95 128.88,60.37 128.88,60.76 130.78,62.66 132.61,62.66 ENC4.B ; R22.1 117.85,27.85 117.85,43.06 115.98,44.94 R20.2
Net-(J5-Pad4): length 130.1
  Top w0.25: v1(122.91,87.7) 123.14,87.93 127.4,87.93 v1(128.79,86.54)
  Bottom w0.25: v1(122.91,87.7) 121.33,89.29 89.7,89.29 87.72,91.27 87.72,99.89 84.87,102.74 49.19,102.74 47.49,101.04 47.49,100.98 45.73,99.22 45.25,99.22 45.2,99.17 J6.4 ; J5.4 128.32,66.83 129.95,68.46 131.87,68.46 131.87,69.72 132.36,70.21 132.36,72.29 136.07,76 136.07,84.9 135.08,85.9 129.44,85.9 v1(128.79,86.54)
Net-(J5-Pad5): length 136.5
  Top w0.25: v1(129.65,83.8) 125.84,83.8 122.73,86.91 116.69,86.91 113.98,84.2 103,84.2 101.48,85.71 85.41,85.71 84.84,86.28 84.84,91.51 83.03,93.32 83.03,93.85 85.63,96.45 85.63,99.93 83.99,101.58 56.08,101.58 53.46,98.96 53.46,97.56 50.35,94.45 J6.5
  Bottom w0.25: J5.5 124.46,63.83 123.29,65 123.29,68.38 125.14,70.23 128.81,70.23 134.07,75.49 134.07,80.09 130.37,83.8 v1(129.65,83.8)
Net-(J7-Pad3): length 266.2
  Bottom w0.25: J8.3 16.07,99.14 13.78,99.14 12.71,100.2 12.71,101.44 11.95,102.2 4.52,102.2 1.69,99.37 1.69,17.42 9.76,9.35 9.76,4.86 13.02,1.6 132.36,1.6 134.57,3.82 134.57,20.77 133.39,21.96 J7.3
Net-(J7-Pad4): length 254.5
  Top w0.25: v1(9.82,94.61) 10.41,95.2 15.42,95.2 15.42,95.95 J8.4
  Bottom w0.25: v1(9.82,94.61) 7.82,92.61 4.62,92.61 3.04,91.03 3.04,17.98 11.37,9.65 11.37,5.16 13.58,2.95 131.8,2.95 133.22,4.38 133.22,12.99 132.5,13.71 130.71,13.71 128.38,16.04 127.33,16.04 125,18.37 125,20.34 125.58,20.92 126.53,20.92 J7.4

## Copper pours and planes (outline as drawn; the poured copper is in the pictures)
GND on Top, Bottom: 85.2,103.5 88.05,100.69 88.32,91.3 89.59,89.94 124.63,89.96 125.94,91.14 125.94,99.15 128.34,102.79 166.79,103.16 170.35,99.81 170.43,73.38 168.46,70.18 148.15,69.81 144.65,68.87 144,66.32 143.05,63.11 134.04,62.89 132.15,61.51 131.98,32.75 133.59,31.52 143.56,31.3 144.07,25.91 146.18,24.31 166.57,24.53 170.43,20.67 170.64,3.92 168.9,1.67 168.39,1.16 168.02,1.23 166.71,0.86 4.57,0.65 0.5,3.85 0.5,99.37 3.48,103.01 9.09,103.52 39.52,103.59

## Text on the board
B.Silkscreen: EXT Power 5V | 5V / GND
User.Drawings: 1 | 13 | A | N | K | E | 5 | 11
F.Silkscreen: GND | Audio IN | BP_1 | B2_ENC2 | A2_ENC2 | BP_2 | 3v3 | Audio OUT | B1_ENC1 | A1_ENC1 | https://github.com/julienrat/Norns_Fork | B3_ENC3 | A3_ENC3 | BP_3 | Norns SYST V3 / Damien Skoraki _ Les Usines | SCL | SDA | R+ | L- | R OUT | L OUT | Alim Ext | gnd / 5v | R- | L+ | B4_ENC4 | A4_ENC4 | Ecran SSD1306
